# Altium PCB ACS712电流检测.PcbDoc
Units mm, origin at the board's own origin, x right, y up, seen from the top; angles counter-clockwise.
Board outline 51.18 x 30.47 mm, 2 copper layers (Top Layer, Bottom Layer); 15 components, 12 nets, 49 pads, 0 vias.
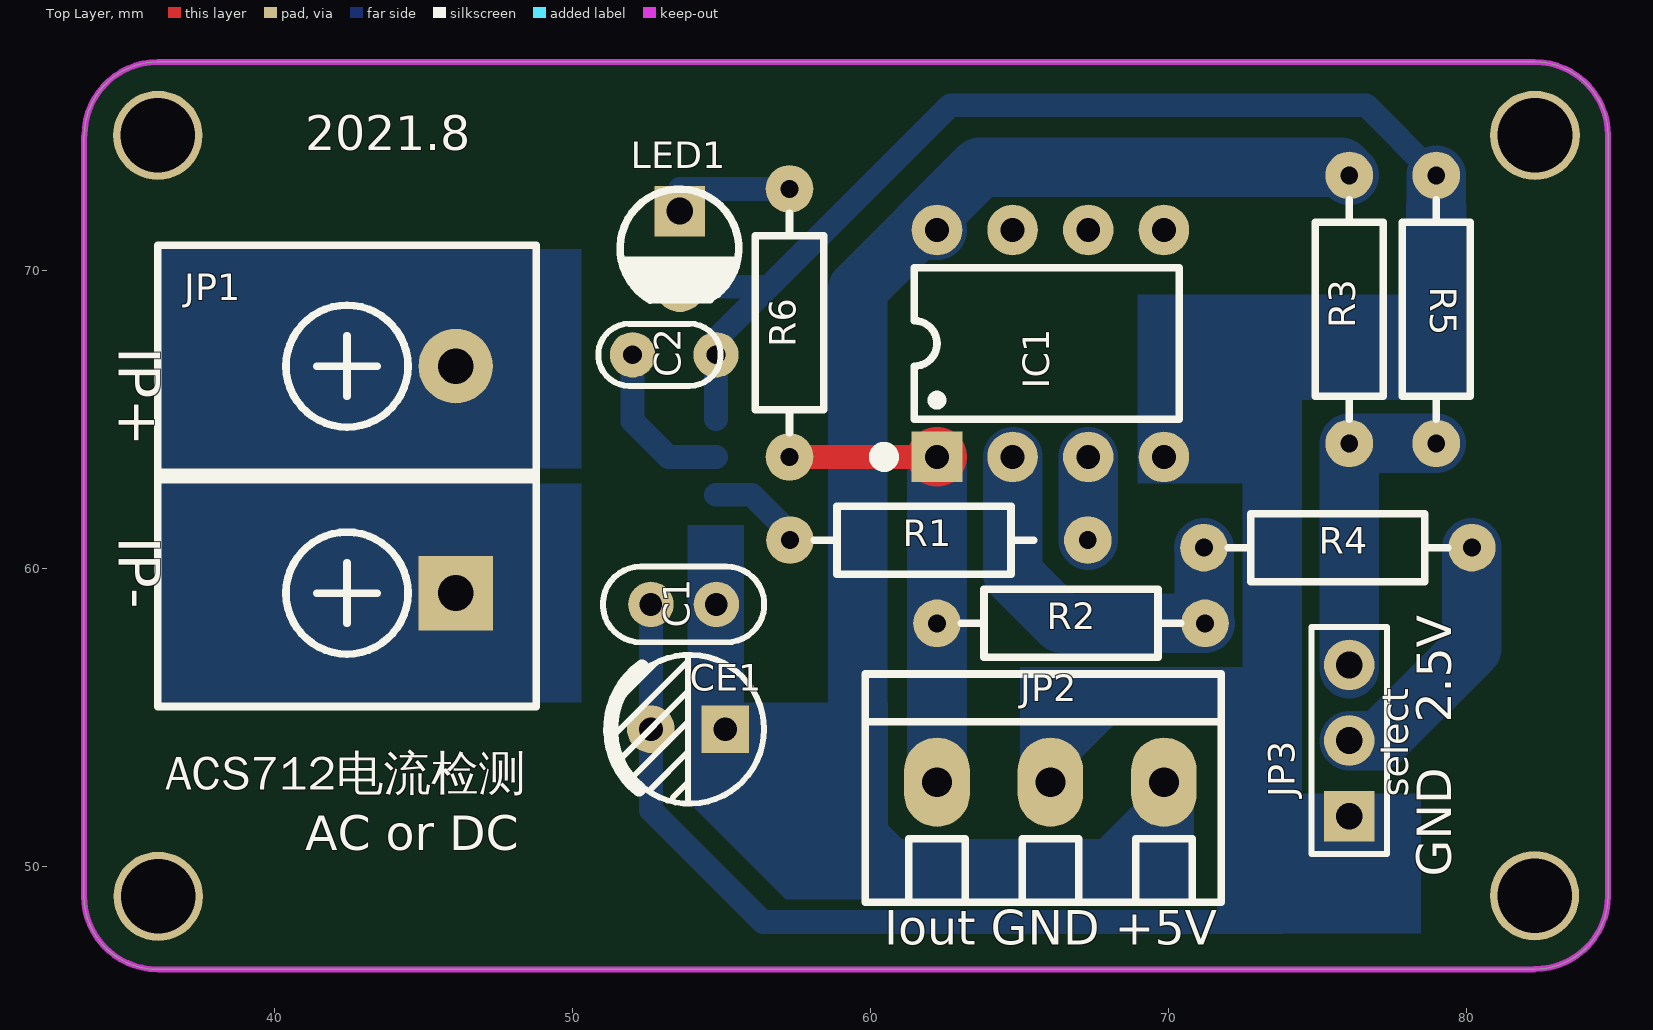
[diagram p0: Top Layer view]
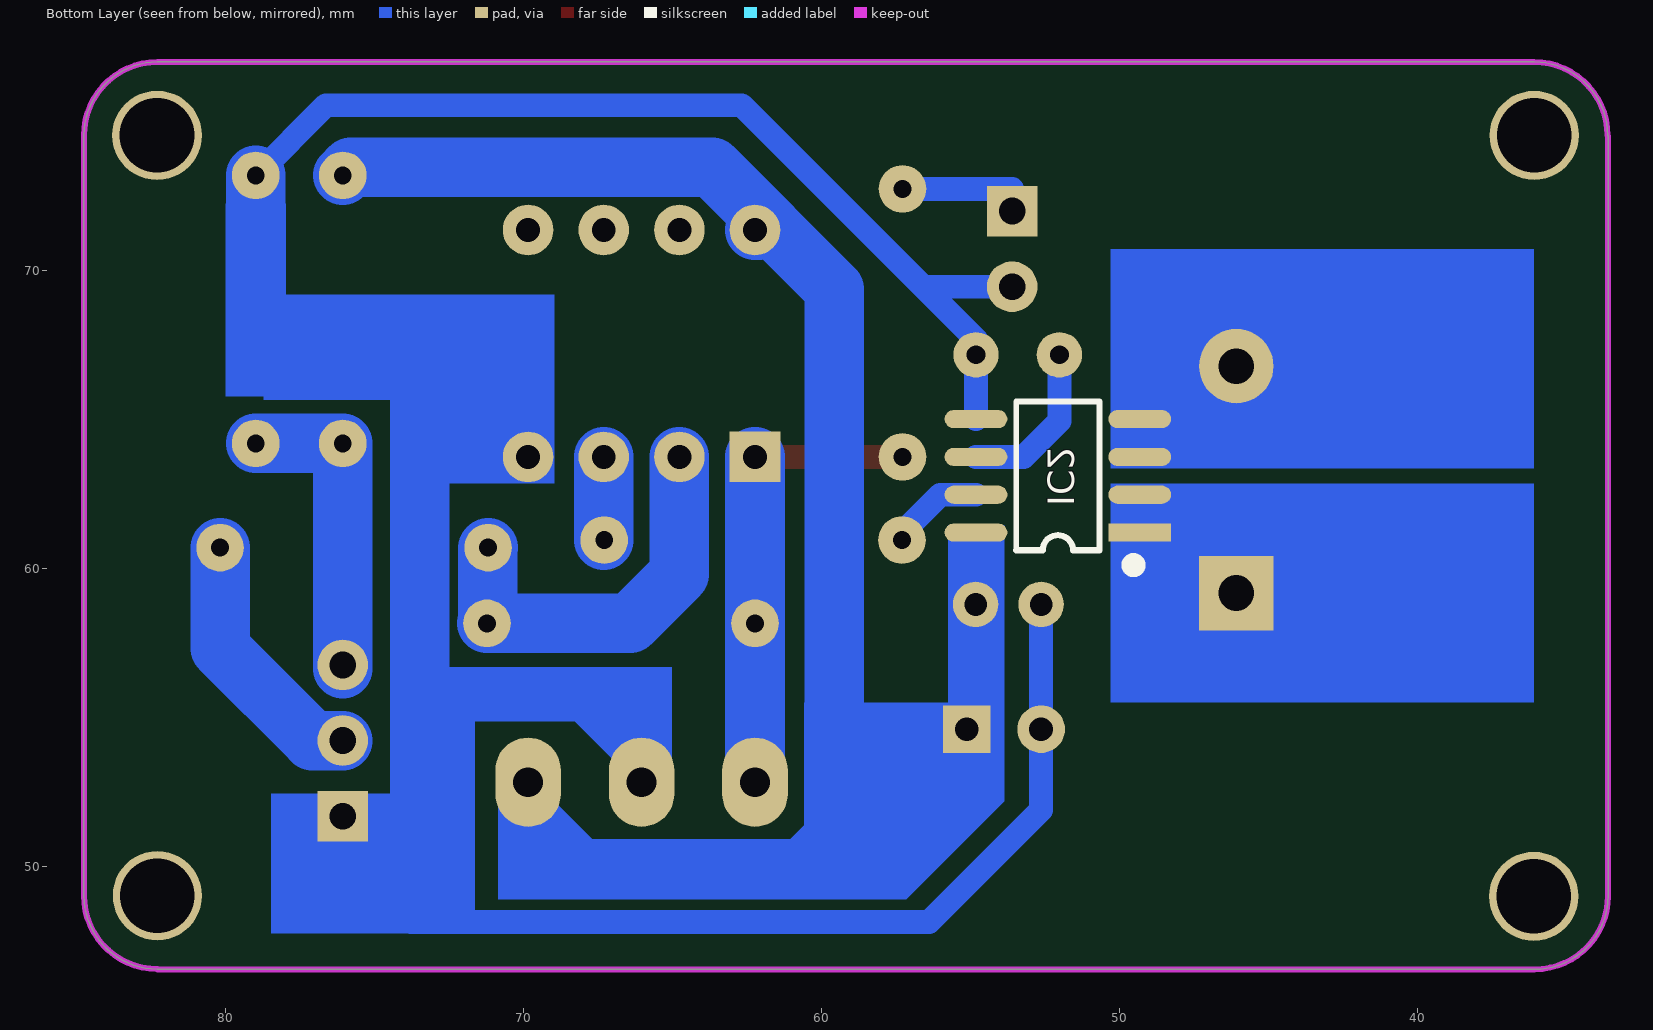
[diagram p1: Bottom Layer view, seen from below]

## Layer stack, top to bottom
Top Solder: solder mask 0.0102, Solder Resist, Dk 3.5
Top Layer: signal copper 0.0356
Dielectric 1: dielectric 0.32, FR-4, Dk 4.8
Bottom Layer: signal copper 0.0356
Bottom Solder: solder mask 0.0102, Solder Resist, Dk 3.5

## Board outline
33.587,49.013 33.587,74.533 33.602,74.549 cw(c36.068,74.549) 36.068,77.015 82.296,77.015 cw(c82.296,74.549) 84.762,74.549 84.762,49.022 cw(c82.296,49.022) 82.296,46.556 82.287,46.547 36.052,46.547 cw(c36.052,49.013)

## Design rules (kind name [scope] priority, off if disabled: settings)
Clearance [All] p1: gap=0.254 ignorepadtopadclearanceinfootprint=FALSE except(0: Arc-Hole Track-Hole SMDPad-Hole THPad-Hole Via-Hole Fill-Hole Poly-Hole Region-Hole Text-Hole)
PolygonConnect [All] p1: connectstyle=Relief reliefconductorwidth=0.254 reliefentries=4 polygonreliefangle="90 Angle" airgapwidth=0.254
RoutingVias [All] p1: holewidth=0.711 width=1.27 viastyle="Through Hole" minholewidth=0.711 minwidth=1.27 maxholewidth=0.711 maxwidth=1.27
SolderMaskExpansion [All] p1: expansion=0.102
Width [All] p1: maxlimit=5 minlimit=0.254 preferedwidth=0.254
30 further rules are at their usual default settings.

## Components (designator, comment, footprint, x,y, rotation, side; value= is the part's Value field where it differs from the comment)
C1 "104" "CC 2.2*5" 53.721,58.801 r180 top
C2 "102" "CC 1.8*3.6" 52.91,67.183 r180 top
CE1 "10uF" "CAP 2.5*5*11 - BK" 53.871,54.61 r180 top
IC1 "LM358" DIP8-300_MH 66.04,67.564 r90 top
IC2 "ACS712" SOP8_M 52.06,63.119 r0 bottom
JP1 "HDR-1X2" KF7620-2P 42.418,62.992 r90 top
JP2 "HDR-1X3" KF128-3.81-3P 66.04,52.832 r0 top
JP3 "HDR-1X3" HDR2.54-LI-3P 76.073,54.229 r90 top
LED1 "红色" "LED 3MM-B" 53.594,70.739 r270 top
R1 "100K" "RS 1/4W"#1 61.794,60.96 r0 top
R2 "200K" "RS 1/4W"#2 66.73,58.166 r180 top
R3 "1K" "RS 1/4W"#2 76.073,68.707 r90 top
R4 "100K" "RS 1/4W"#2 75.692,60.706 r180 top
R5 "1K" "RS 1/4W"#2 78.994,68.707 r270 top
R6 "1K" "RS 1/4W"#2 57.277,68.254 r90 top

## Footprints (in the part's own frame and the unit in brackets; to place one, negate y for a bottom-side part, rotate by r counter-clockwise, add the part's x,y. Pads: shape width x height; smd on the part's side, far side on the other; paste and mask are expansions set on the pad)
"CAP 2.5*5*11 - BK" [mm] "脚距2.5mm直径5mm高度11mm"
  rect 1.6x1.6 hole 0.8: 1(-1.25,0)
  round 1.6 hole 0.8: 2(1.25,0)
  silkscreen extent -2.55,-2.5 2.6,2.5, body extent -2.5,-2.5 2.51,2.5, height 11.14
"CC 1.8*3.6" [mil] "脚距1.8mm直径3.6mm      淘宝ID:黄晶宝石"
  round 60 hole 25: 1(-74.8,0) 2(35.43,0)
  silkscreen extent -81,-41 81,41, body extent -72,-32 70,30, height 151
"CC 2.2*5" [mil] "脚距2.2mm直径5mm      淘宝ID:黄晶宝石"
  round 60 hole 30: 1(-43.31,0) 2(43.31,0)
  silkscreen extent -107,-50 107,50, body extent -94,-40 95,32, height 194
DIP8-300_MH [mm] "带底座 9.4*7.6*3.8(长宽高）"
  rect 1.7x1.7 hole 0.8: 1(-3.81,3.81)
  round 1.7 hole 0.8: 2(-3.81,1.27) 3(-3.81,-1.27) 4(-3.81,-3.81) 5(3.81,-3.81) 6(3.81,-1.27) 7(3.81,1.27) 8(3.81,3.81)
  silkscreen extent -4.06,-4.32 2.54,5.84, body extent -5,-5.19 5,5.19, height 7.7
HDR2.54-LI-3P [mm] "排针，3脚"
  rect 1.7x1.7 hole 0.9: 1(-2.54,0)
  round 1.7 hole 0.9: 2(0,0) 3(2.54,0)
  silkscreen extent -3.81,-1.27 3.81,1.27, body extent -3.81,-1.27 3.81,1.27, height 2.54
KF128-3.81-3P [mm] "螺钉式接线端子，脚距3.81mm"
  oval 2.2x3 hole 1: 1(-3.81,0) 2(0,0) 3(3.81,0)
  silkscreen extent -6.22,-4.04 5.74,3.63, body extent -6.21,-3.9 5.72,3.5, height 8.55
KF7620-2P [mm] "15.2*12*12mm(长宽高)              淘宝ID:黄晶宝石"
  rect 2.5x2.5 hole 1.2: 1(-3.81,-3.65)
  round 2.5 hole 1.2: 2(3.81,-3.65)
  silkscreen extent -7.62,-6.35 7.87,6.35, body extent -7.62,-6.2 8.32,6.2, height 12.45
"LED 3MM-B" [mm] "蓝色3mm直插LED"
  rect 1.7x1.7 hole 0.9: 1(-1.27,0)
  round 1.7 hole 0.9: 2(1.27,0)
  silkscreen extent -2.01,-2 1.72,1.98, body extent -1.95,-1.95 1.64,1.95, height 5.55
"RS 1/4W"#1 [mm] "直插色环电阻，脚距9mm，直径2.3mm"
  round 1.6 hole 0.6: 1(-4.5,0) 2(5.5,0)
  silkscreen extent -3.68,-1.14 3.68,1.14, body extent -4.72,-1.16 4.73,1.16, height 2.32
"RS 1/4W"#2 [mm] "直插色环电阻，脚距9mm，直径2.3mm"
  round 1.6 hole 0.6: 1(-4.5,0) 2(4.5,0)
  silkscreen extent -3.68,-1.14 3.68,1.14, body extent -4.72,-1.16 4.73,1.16, height 2.32
SOP8_M [mil] "5*6*1.8mm（长宽高）"
  rect 83x24 smd: 1(-108.27,75)
  oval 83x24 smd: 2(-108.27,25) 3(-108.27,-25) 4(-108.27,-75) 5(108.27,-75) 6(108.27,-25) 7(108.27,25) 8(108.27,75)
  silkscreen extent -106,-98 55,124, body extent -118,-98 118,98, height 75

## Part data
C1 C2: library part CC, "瓷片电容"
CE1: library part CE, "直插电解电容"
IC1: "双路运放"
IC2: "电流检测芯片"
JP1: library part "Header 2", "2P接插件"
JP2 JP3: library part "Header 3", "3P接插件"
LED1: library part LED-3MM, "直插3mm LED"
R1 R2 R3 R4 R5 R6: library part R-S, "色环电阻"

## Free pads (board coordinates)
  round 3 hole 2.5: 2(36.068,74.549) 2(36.078,48.995) 2(82.296,49.022) 2(82.296,74.549) 2(82.316,74.549)

## Nets (pads, with @x,y where several pads share a name; then routed paths per layer and width w, separated by ;. In a path a pad name is that pad's centre, name@x,y a point inside that pad or via, vN(x,y) a via of type N, cw(c..) or ccw(c..) an arc to the next point about the centre after c; other vN are vias at no path point)
+5V: C1.1 CE1.1 IC1.8 IC2.8 JP2.3 R3.2 | length 35.6
  Bottom Layer w2: 59.563,52.407 59.563,69.379 63.662,73.478 66.548,73.478 75.802,73.478 R3.2 ; IC1.8@61.976,71.501 62.103,71.374 IC1.8
GND: C1.2 C2.1 CE1.2 IC1.4 IC2.5 JP2.2 JP3.1 LED1.2 R5.1 | length 80.3
  Bottom Layer w0.8: C1.2 CE1.2 52.621,51.9 56.388,48.133 73.787,48.133 ; LED1.2 56.588,69.469 ; IC2.5 54.81,67.691 56.588,69.469 ; R5.1 76.636,75.565 62.684,75.565 56.588,69.469
  Bottom Layer w2: 73.484,66.216 73.484,51.451 73.5,51.435 73.533,51.435 ; 78.994,71.394 R5.1
IOUT: IC1.1 JP2.1 R2.2 R6.1 | length 15.9
  Top Layer w0.8: R6.1 IC1.1
  Bottom Layer w2: JP2.1 IC1.1
NetC2_2: C2.2 IC2.6 | length 5.5
  Bottom Layer w0.8: C2.2 52.01,64.957 53.213,63.754 IC2.6
NetIC1_2: IC1.2 R2.1 R4.2 | length 13.6
  Bottom Layer w2: IC1.2 64.77,59.817 66.421,58.166 R2.1 71.211,58.185 71.211,60.687 R4.2
NetIC1_3: IC1.3 R1.2 | length 2.8
  Bottom Layer w2: R1.2@67.31,60.96 IC1.3
NetIC2_1: IC2.1 IC2.2 JP1.1
NetIC2_3: IC2.3 IC2.4 JP1.2
NetIC2_7: IC2.7 R1.1 | length 3.3
  Bottom Layer w0.8: IC2.7 56.007,62.484 57.294,61.197 R1.1 R1.1@57.277,60.977
NetJP3_2: JP3.2 R4.1 | length 8.8
  Bottom Layer w2: JP3.2 77.089,54.229 80.192,57.332 R4.1
NetJP3_3: JP3.3 R3.1 R5.2 | length 10.5
  Bottom Layer w2: JP3.3@76.073,56.642 R3.1 R5.2
NetLED1_1: LED1.1 R6.2 | length 3.7
  Bottom Layer w0.8: LED1.1@53.594,72.754 R6.2
pads on no net: IC1.5 IC1.6 IC1.7

## Polygon pours and split planes (outlines as drawn)
no net on Bottom Layer "Bottom Layer-No Net" (solid, shelved, pour order 2): 44.958,51.054

## Keep-outs
Keep-Out Layer:
  lines w0.2: 82.287,46.547 36.052,46.547 cw(c36.052,49.013) 33.587,49.013 33.587,74.533 33.602,74.549 cw(c36.068,74.549) 36.068,77.015 82.296,77.015 cw(c82.296,74.549) 84.762,74.549 84.762,49.022 cw(c82.296,49.022) 82.296,46.556

## Other copper
Bottom Layer:
  region net +5V: 55.753,52.197 55.753,61.468 53.848,61.468 53.848,52.197
  rectangle net +5V: 55.54,50.673 60.579,55.499
  region net +5V: 68.771,49.085 70.676,50.991 69.215,52.451 67.31,50.546
  region net +5V: 70.231,50.927 57.15,50.927 57.15,48.895 70.231,48.895
  region net +5V: 53.848,52.197 57.15,48.895 58.927,50.672 55.625,53.974
  region net +5V: 58.231,50.865 60.136,48.96 61.573,50.397 59.668,52.302
  region net +5V: 68.834,53.628 68.834,48.895 70.866,48.895 70.866,53.628
  rectangle net NetIC2_3: 36.068,63.373 50.292,70.739
  region net GND: 77.978,72.263 77.978,65.786 80.01,65.786 80.01,72.263
  region net GND: 67.248,56.704 65.089,54.545 66.526,53.108 68.685,55.267
  region net GND: 67.056,52.29 67.056,56.697 65.024,56.697 65.024,52.29
  region net GND: 78.486,52.451 71.628,52.451 71.628,47.752 78.486,47.752
  rectangle net GND: 71.213,65.659 78.74,69.215
  region net GND: 68.961,69.215 68.961,62.865 73.279,62.865 73.279,69.215
  region net GND: 73.279,50.673 73.279,56.704 71.628,56.704 71.628,50.673
  rectangle net GND: 65.024,54.864 73.406,56.704
  rectangle net NetIC2_1: 36.068,55.499 50.292,62.865

## Silkscreen, mask and mechanical layers (free items; w line width, h text height)
Top Overlay:
  text "2021.8" at 41.021,73.66 h2
  text "IP+     IP-" at 34.29,67.437 h2.4 r270
  text "select" at 78.359,52.346 h1.52 r90
  text "ACS712电流检测" at 36.322,52.197 h2
  text "AC or DC" at 41.021,50.165 h2
  text "GND   2.5V" at 79.883,49.657 h2 r90
  text "Iout GND +5V" at 60.452,46.99 h2